# KiCad board analog_i.kicad_pcb (continued)
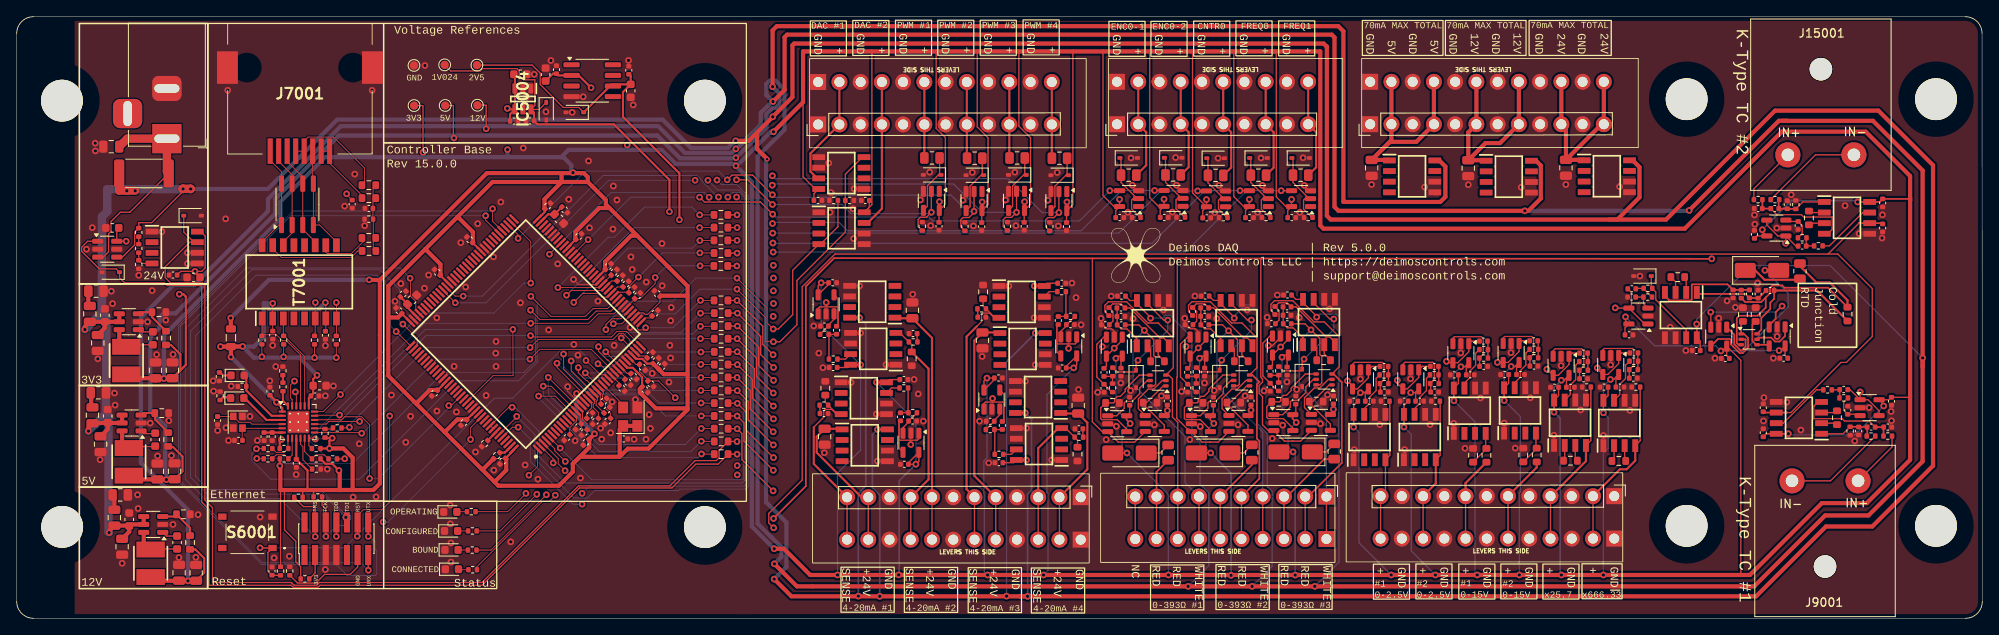
[diagram p0: board, top side]
## Routing (per net, layer and track width the routed paths; a pad name or vN(x,y) marks a point on that pad's centre or on a via; arc(x,y) is an arc through that point) (continued)
/base/Micro/LED2: length 16.4
  Top w0.1: IC6001.2 62.67,20.57 64.27,18.97 v1(64.15,18.59) 64.27,18.59 ; R6026.2 57.8,10.45 v1(62.19,14.84)
  In1.Cu w0.1: 62.17,14.84 v1(62.19,14.84) 62.19,14.86 64.15,16.82 v1(64.15,18.59)
/base/Micro/LED3: length 12.9
  Top w0.1: v1(60.89,14.94) 58.71,12.76 R6027.2 ; IC6001.1 62.28,18.15 v1(61.25,17.12)
  In1.Cu w0.1: v1(61.25,17.12) 60.89,16.77 v1(60.89,14.94) 60.89,14.9 60.91,14.92
/base/Micro/RMII_CRS_DV: length 50.4
  Top w0.1: IC6001.43 71.44,36.43 69.53,36.43 68.4,35.3 v1(61.46,35.3) ; R7005.1 39.2,19.07 v1(39.22,19.09)
  Bottom w0.1: v1(61.46,35.3) 48.76,35.3 35.14,21.68 35.14,21.15 37.21,19.08 v1(39.22,19.09) 39.23,19.08
/base/Micro/RMII_MDC: length 41.4
  Top w0.1: U7001.13 35.64,22.22 41.47,22.22 ; v1(61.37,31.01) 62.54,32.18 68.7,32.18 IC6001.27
  Bottom w0.1: v1(41.25,22.14) 41.39,22.14 50.26,31.01 v1(61.37,31.01)
/base/Micro/RMII_MDIO: length 47.3
  Top w0.1: v1(35.7,21.45) 35.61,21.55 U7001.12 34.94,20.68 R7008.1 ; v1(61.44,33.82) 61.6,33.66 71.1,33.66 71.75,34.31 72.94,34.31 IC6001.36
  Bottom w0.1: v1(61.44,33.82) 48.93,33.82 36.6,21.49 v1(35.7,21.45) 35.66,21.49
/base/Micro/RMII_REF_CLK: length 41.2
  Top w0.1: R7007.2 39.71,22.78 v1(39.78,22.85) ; IC6001.35 74.27,32.24 73.29,33.22 73.29,33.33 72.52,34.1 72.05,34.1 71.32,33.37 62.37,33.37 v1(61.39,32.39)
  Bottom w0.1: v1(61.39,32.39) 49.05,32.39 39.79,23.14 v1(39.78,22.85) 39.79,22.84
/base/Micro/RMII_RXD0: length 57.9
  Top w0.1: v1(28.7,19.12) 28.74,19.09 R7001.2 ; IC6001.44 71.06,36.76 69.3,36.76 68.3,35.76 62.55,35.76 v1(61.44,36.87)
  Bottom w0.1: 28.71,19.1 v1(28.7,19.12) 31.4,19.1 31.97,18.53 40.14,18.53 51,29.39 60.63,29.39 62.02,30.78 62.02,36.29 v1(61.44,36.87)
/base/Micro/RMII_RXD1: length 63.8
  Top w0.1: v1(28.66,20.28) 28.7,20.32 R7003.2 ; IC6001.45 70.65,37.06 68.93,37.06 68,36.13 63.88,36.13 v1(61.48,38.53)
  Bottom w0.1: v1(61.48,38.53) 62.23,37.78 62.23,30.63 60.02,28.42 52.75,28.42 40.98,16.65 30.39,16.65 28.13,18.9 28.13,19.73 28.66,20.26 v1(28.66,20.28) 28.68,20.28 28.67,20.27
/base/Micro/RMII_TX_EN: length 28.8
  Top w0.1: U7001.16 35.64,23.75 38.86,23.75 39.22,24.12 41.24,24.12 42.2,23.15 v1(42.2,16.72) 42.2,16.7 ; 51.67,25.44 v1(51.66,25.45) 51.96,25.44 IC6001.126
  Bottom w0.1: v1(51.66,25.45) 51.66,25.15 43.24,16.72 v1(42.2,16.72)
/base/Micro/RMII_TXD0: length 40.4
  Top w0.1: U7001.17 35.69,24.3 38.58,24.3 v1(38.6,24.32) ; IC6001.128 56.96,29.03 59.35,29.03 v1(59.33,34.57) 59.35,34.55
  Bottom w0.1: 38.62,24.31 48.88,34.57 v1(59.33,34.57)
/base/Micro/RMII_TXD1: length 40.6
  Top w0.1: v1(38.72,26.79) 36.66,24.73 U7001.18 ; IC6001.74 61.47,45.07 v1(61.47,40.11)
  In2.Cu w0.1: v1(38.72,26.79) 38.73,26.7
  Bottom w0.1: v1(38.72,26.79) 48.46,36.53 57.07,36.53 60.65,40.11 v1(61.47,40.11)
/base/Micro/UART_RX: length 92.1
  Top w0.1: 56.08,48.16 v1(56.07,48.17) 56.08,47.63 IC6001.78
  Top w0.15: v1(42.05,5.75) 42.03,5.76 J6001.13
  Bottom w0.1: v1(42.05,5.75) 41.15,6.64 29.38,6.64 19.56,16.46 19.56,34.95 32.78,48.17 v1(56.07,48.17)
/base/Micro/UART_TX: length 100.4
  Top w0.1: 41.8,12.4 41.83,12.37 ; 56.91,49 v1(56.9,49.01) 56.91,47.51 IC6001.77
  Top w0.15: v1(42.05,9.8) 42.03,9.81 J6001.14
  Bottom w0.1: v1(56.9,49.01) 56.62,48.73 33.05,48.73 19.35,35.04 19.35,16.37 29.31,6.42 38.22,6.42 39.52,5.12 42.9,5.12 43.05,5.27 43.05,8.08 42.86,8.27 42.86,9.18 v1(42.05,9.8) 42.2,9.84
Net-(C7012-Pad1): length 7.6
  Top w0.1: 42.64,43.96 42.64,47.75 R7024.1 42.6,47.79 C7012.1 42.6,50.25 42.63,50.28 42.62,50.29 42.62,51.5
Net-(C10004-Pad2): length 1.8
  Top w0.5: R10003.1 8.56,37.56 C10004.2
Net-(C11001-Pad1): length 1
  Top w0.15: R11001.1 96.06,25.47 C11001.1
  Top w0.25: 96.03,25.5 R11001.1
Net-(C11004-Pad2): length 1.8
  Top w0.5: 8.9,26.97 8.9,25.46 9.11,25.25
Net-(C12002-Pad2): length 1.9
  Top w0.5: C12002.2 11.68,14.55 R12003.1
Net-(C14001-Pad1): length 1
  Top w0.15: C14001.1 107.67,33.11 R14001.1
  Top w0.25: 107.7,33.08 R14001.1
Net-(C15007-Pad1): length 2.4
  Top w0.15: C15007.1 193.67,39.48 R15004.1 194.56,39.43 R15006.2
Net-(C17006-Pad1): length 2
  Top w0.15: R17007.1 218.01,26.4 C17006.1 217.98,27.34 R17001.2
Net-(C18001-Pad1): length 1
  Top w0.15: R18001.1 114.93,36.99 C18001.1
  Top w0.25: 114.9,37.02 R18001.1
Net-(C19002-Pad1): length 2
  Top w0.15: R19002.1 214,45.5 C19002.1 214.02,44.56 R19001.2
Net-(C21002-Pad1): length 1.9
  Top w0.15: C21002.1 131.03,28.95 131.04,28.94 131.04,28.03
Net-(C22001-Pad1): length 1
  Top w0.15: R22001.1 127.5,21.71 C22001.1
  Top w0.25: 127.53,21.68 R22001.1
Net-(C24003-Pad1): length 1.9
  Top w0.15: C24003.1 141.04,28.96 141.05,28.95 141.05,28.04
Net-(C27002-Pad1): length 1.9
  Top w0.15: C27002.1 150.9,29.08 150.9,29.07 150.9,28.16
Net-(C29002-Pad1): length 3.9
  Top w0.15: R29001.2 116.96,22.42 116.92,22.46 R29002.1 117.86,22.58 C29002.1
Net-(C31002-Pad1): length 3.9
  Top w0.15: C31002.1 124.57,36.12 R31002.1 125.51,36.24 125.47,36.28 R31001.2
Net-(C33002-Pad1): length 3.9
  Top w0.15: R33001.2 97.13,33.82 97.09,33.86 R33002.1 98.03,33.98 C33002.1
Net-(C35002-Pad1): length 3.9
  Top w0.15: R35001.2 106.6,24.76 106.64,24.72 R35002.1 105.7,24.6 C35002.1
Net-(C37002-Pad1): length 2
  Top w0.15: C37002.1 193.86,31.74 R37002.2
Net-(C39002-Pad1): length 2.1
  Top w0.15: C39002.1 187.89,31.7 R39002.1
Net-(C41002-Pad1): length 2.1
  Top w0.15: C41002.1 181.95,33.15 R41002.1
Net-(C43002-Pad1): length 2.1
  Top w0.15: R43002.1 175.94,33.11 C43002.1
Net-(C45002-Pad1): length 2.1
  Top w0.15: C45002.1 170.05,30.11 R45002.1
Net-(C47002-Pad1): length 2.1
  Top w0.15: R47002.1 164.03,30.1 C47002.1
Net-(D4001-K): length 7.1
  Top w0.25: R4003.1 213.13,40.51 209.02,40.51 207.9,41.63 D4001.1
Net-(D5001-K): length 3
  Top w0.15: R5003.1 136.73,19.78 D5001.1
Net-(D6001-A): length 1.2
  Top w0.1: D6001.2 52.89,5.81 R6023.1
Net-(D6002-A): length 1.2
  Top w0.1: D6002.2 52.8,8.17 R6025.1
Net-(D6003-A): length 1.3
  Top w0.1: R6026.1 D6003.2
Net-(D6004-A): length 1.2
  Top w0.1: D6004.2 52.67,12.76 R6027.1
Net-(D7001-A): length 7.4
  Top w0.25: U7001.2 30.49,24.23 27.45,27.27 R7012.1 27.45,28.82 D7001.2
Net-(D7001-K): length 1.5
  Top w0.25: D7001.1 24.7,29.06 24.33,29.43
Net-(D7002-A): length 5.7
  Top w0.25: 27.17,26.43 29.87,23.73 U7001.3
Net-(D7002-K): length 1.4
  Top w0.25: 25.6,26.43 24.64,26.43 R7019.1
Net-(D13001-K): length 3
  Top w0.15: R13003.1 146.74,19.79 D13001.1
Net-(D17001-K): length 3
  Top w0.15: R17003.1 156.59,19.91 D17001.1
Net-(D48001-K): length 9.4
  Top w0.15: D48001.1 132.06,54.95 R48001.2 132.06,52.14 133.98,50.22 U48001.2 133.49,50.22 133.32,50.05 133.32,48.98 134.33,47.97 R48002.1
Net-(D49001-K): length 9.4
  Top w0.15: R49002.1 139.65,47.99 138.64,49 138.64,50.07 138.81,50.24 U49001.2 139.3,50.24 137.38,52.16 R49001.2 137.38,54.97 D49001.1
Net-(D50001-K): length 9.4
  Top w0.15: R50002.1 144.73,47.94 143.72,48.95 143.72,50.02 143.89,50.19 U50001.2 144.38,50.19 142.46,52.11 R50001.2 142.46,54.92 D50001.1
Net-(D51001-K): length 9.4
  Top w0.15: R51002.1 149.85,47.97 148.84,48.98 148.84,50.04 149.01,50.22 U51001.2 149.5,50.22 147.58,52.14 R51001.2 147.58,54.94 D51001.1
Net-(D52001-K): length 9.4
  Top w0.15: R52002.1 154.9,47.97 153.88,48.98 153.88,50.04 154.06,50.22 U52001.2 154.55,50.22 152.63,52.14 R52001.2 152.63,54.94 D52001.1
Net-(D55001-K): length 7.4
  Top w0.15: R55002.1 110.36,53.21 D55001.1 110.21,53.05 108.9,51.74 108.9,49.29 U55001.4
Net-(D56001-K): length 7.4
  Top w0.15: R56002.1 115.47,53.18 D56001.1 115.32,53.02 114.01,51.71 114.01,49.26 U56001.4
Net-(D57001-K): length 7.4
  Top w0.15: U57001.4 119.09,49.29 119.09,51.74 120.4,53.05 D57001.1 120.55,53.2 R57002.1
Net-(D58001-K): length 7.4
  Top w0.15: U58001.4 124.15,49.25 124.15,51.71 125.46,53.02 D58001.1 125.61,53.17 R58002.1
Net-(IC3001-VO): length 26.8
  Top w0.5: C3001.2 164.09,54.85 IC3001.1 ; C3001.2 164.39,57.21 J3001.2 J3001.2 ; C3001.2 164.2,57.01 167.37,57.01 J3001.4 J3001.4
Net-(IC3002-VO): length 23.1
  Top w0.5: J3001.10 J3001.10 185.27,58.57 C3002.2 ; J3001.12 J3001.12 189.53,59.12 C3002.2 ; C3002.2 187.39,54.86 IC3002.1
Net-(IC3003-VO): length 24.9
  Top w0.5: C3003.2 175.63,56.86 177.37,56.86 J3001.8 J3001.8 ; C3003.2 173.58,58.15 J3001.6 J3001.6 ; C3003.2 175.66,54.81 175.72,54.75
Net-(IC4001-RG_1): length 1.9
  Top w0.15: IC4001.2 199.64,40.64 R4002.1
Net-(IC4001-RG_2): length 2.1
  Top w0.15: IC4001.3 198.37,40.26 R4002.2
Net-(IC4002--IN): length 9.8
  Top w0.2: R4006.1 206.22,35.31 U4001.1 206.54,34.03 207.04,33.53 207.04,32.38 206.4,31.74 206.04,31.74 204.99,32.79 204.99,33.28 204.84,33.43 203.45,33.43 IC4002.4
Net-(IC4002-OUT): length 5.7
  Top w0.2: IC4002.1 205.39,33.93 205.39,32.8 206.16,32.04 206.28,32.04 206.74,32.5 206.74,33.35 206.72,33.38 U4001.2
Net-(IC4003--IN): length 4.8
  Top w0.2: R4009.1 207.56,35.13 207.56,33.19 208.02,32.73 U4001.4 209.42,32.73 IC4003.4
Net-(IC4003-OUT): length 5
  Top w0.2: IC4003.1 211.47,33.77 210.82,33.12 210.27,33.12 209.81,33.59 208.32,33.59 U4001.5
Net-(IC5001-RG_1): length 2
  Top w0.15: IC5001.2 135.6,32.24 R5002.1
Net-(IC5001-RG_2): length 2.2
  Top w0.15: R5002.2 136.5,31.5 IC5001.3
Net-(IC5002--IN): length 8
  Top w0.15: U5001.1 137.1,27.8 135.1,25.8 R5006.1 134.71,25.63 137.23,23.11 IC5002.4
Net-(IC5002-OUT): length 6.5
  Top w0.15: U5001.2 137,28.45 135.97,27.43 135.31,27.43 134.14,26.25 134.14,25.08 IC5002.1
Net-(IC5003--IN): length 13.1
  Top w0.15: IC5003.4 132.74,22.63 131.62,23.76 129.78,23.76 129.63,23.91 129.63,25.19 R5009.1 131.16,25.77 131.29,25.9 131.29,26.21 131.63,26.55 131.97,26.55 132.55,27.13 132.55,27.41 134.24,29.1 U5001.4
Net-(IC5003-OUT): length 7.6
  Top w0.15: U5001.5 135.2,28.45 134.29,27.54 134.29,26.89 133.35,25.95 132.61,25.95 132.44,25.77 132.44,25.14 131.53,24.23 IC5003.1
Net-(IC6001-BOOT0): length 1.5
  Top w0.25: IC6001.138 57.35,22.3 R6022.1
Net-(IC6001-PDR_ON): length 1.7
  Top w0.25: IC6001.143 58.37,19.83 R6021.2
Net-(IC6001-VCAP_1): length 3.3
  Top w0.25: IC6001.71 63.55,48.34 C6035.2 64.31,48.34 C6034.2
Net-(IC6001-VCAP_2): length 3.2
  Top w0.25: C6041.2 46.73,37.61 C6040.1 46.73,37.18 IC6001.106
Net-(IC8001-+IN): length 2.7
  Top w0.15: R8007.1 R8005.2 14.97,42.46 IC8001.4
Net-(IC9001-RG_1): length 1.9
  Top w0.15: IC9001.2 217.5,23.35 R9005.1
Net-(IC9001-RG_2): length 1.9
  Top w0.15: R9005.2 217.47,24.62 IC9001.3
Net-(IC10001-CB): length 1.9
  Top w0.15: IC10001.1 14.8,34.28 C10001.2
Net-(IC10001-FB): length 4.7
  Top w0.25: R10002.2 16.18,36.05 R10001.1 14.73,36.63 IC10001.3
Net-(IC10001-SW): length 5.7
  Top w0.15: L10001.2 13.35,32.73 C10001.1
  Top w0.5: L10001.2 12.26,33.34 IC10001.6
Net-(IC11002-CB): length 1.9
  Top w0.15: IC11002.1 15.2,22.1 16.61,22.1
Net-(IC11002-FB): length 4.9
  Top w0.25: IC11002.3 15.11,24.56 16.54,24.56 16.54,23.8 18.19,22.15
Net-(IC11002-SW): length 5.7
  Top w0.15: 16.61,20.55 13.61,20.55 13.42,20.36
  Top w0.5: IC11002.6 12.6,21.19 13.42,20.36
Net-(IC12001-CB): length 1.9
  Top w0.15: C12006.2 17.9,9.84 IC12001.1
Net-(IC12001-FB): length 5
  Top w0.25: IC12001.3 18.85,12.18 R12002.1 20.73,10.82 R12001.2
Net-(IC12001-SW): length 5.6
  Top w0.15: L12001.2 16.08,8.29 C12006.1
  Top w0.5: L12001.2 15.19,9.06 IC12001.6
Net-(IC13001-RG_1): length 2
  Top w0.15: R13002.1 145.61,32.25 IC13001.2
Net-(IC13001-RG_2): length 2.2
  Top w0.15: IC13001.3 146.51,31.51 R13002.2
Net-(IC13002--IN): length 8
  Top w0.15: IC13002.4 147.24,23.12 144.72,25.64 R13006.1 145.1,25.81 147.11,27.81 U13001.1
Net-(IC13002-OUT): length 6.5
  Top w0.15: IC13002.1 144.14,25.09 144.14,26.26 145.31,27.44 145.98,27.44 147,28.46 U13001.2
Net-(IC13003--IN): length 13
  Top w0.15: U13001.4 144.25,29.11 142.56,27.42 142.56,27.14 141.97,26.56 141.64,26.56 141.3,26.22 141.3,25.91 141.17,25.78 R13009.1 139.64,25.2 139.64,23.92 139.78,23.77 141.53,23.77 142.75,22.55 IC13003.4
Net-(IC13003-OUT): length 7.6
  Top w0.15: U13001.5 145.21,28.46 144.3,27.55 144.3,26.9 143.36,25.96 142.62,25.96 142.45,25.78 142.45,25.15 141.54,24.24 IC13003.1
Net-(IC15001-RG_1): length 1.9
  Top w0.15: R15005.1 214.5,48.55 IC15001.2
Net-(IC15001-RG_2): length 1.9
  Top w0.15: R15005.2 214.53,47.28 IC15001.3
Net-(IC17001-RG_1): length 2
  Top w0.15: IC17001.2 155.46,32.37 R17002.1
Net-(IC17001-RG_2): length 2.2
  Top w0.15: IC17001.3 156.36,31.63 R17002.2
Net-(IC17002--IN): length 8
  Top w0.15: U17001.1 156.96,27.93 154.96,25.93 R17006.1 154.57,25.76 157.09,23.24 IC17002.4
Net-(IC17002-OUT): length 6.5
  Top w0.15: U17001.2 156.86,28.58 155.83,27.56 155.17,27.56 154,26.39 154,25.21 IC17002.1
Net-(IC17003--IN): length 13.1
  Top w0.15: IC17003.4 152.6,22.77 151.48,23.89 149.64,23.89 149.49,24.04 149.49,25.32 R17009.1 151.03,25.9 151.15,26.03 151.15,26.34 151.49,26.68 151.83,26.68 152.41,27.26 152.41,27.54 154.1,29.23 U17001.4
Net-(IC17003-OUT): length 7.6
  Top w0.15: IC17003.1 151.4,24.37 152.3,25.27 152.3,25.91 152.48,26.08 153.22,26.08 154.15,27.02 154.15,27.67 155.06,28.58 U17001.5
Net-(IC36001-RG_1): length 1.9
  Top w0.15: IC36001.2 191.01,19.08 R36001.1
Net-(IC36001-RG_2): length 1.9
  Top w0.15: IC36001.3 192.28,18.95 R36001.2
Net-(IC38001-RG_1): length 1.9
  Top w0.15: IC38001.2 185.12,19 R38001.1
Net-(IC38001-RG_2): length 1.9
  Top w0.15: IC38001.3 186.39,19.1 R38001.2
Net-(IC40001-+IN): length 4.1
  Top w0.15: R40002.1 181.77,20.31 R40001.1 181.68,20.45 IC40001.4
Net-(IC42001-+IN): length 4.1
  Top w0.15: R42002.1 175.76,20.28 R42001.1 175.67,20.42 IC42001.4
Net-(J6001-Pin_3): length 3.2
  Top w0.15: R13007.2 35.68,5.42 J6001.3 35.75,7.51
Net-(J6001-Pin_11): length 10.7
  Top w0.15: J6001.11 40.76,6.13 39.89,5.26 36.81,5.26 35.77,4.22 33.58,4.22 R6024.2
Net-(J7001-Pad4): length 13.6
  Top w0.1: 41.6,51.5 41.6,53.87 37.89,57.58 34.84,57.58 34.37,57.12 J7001.5 J7001.4
Net-(J7001-Pad7): length 8.4
  Top w0.1: 41.61,50.28 37.42,54.46 J7001.8 J7001.7
Net-(J9001-Pin_1): length 12.2
  Top w0.15: J9001.1 216.9,16.45 R9002.2
Net-(J9001-Pin_2): length 7
  Top w0.15: R9001.1 224.26,20.51 J9001.2
Net-(J15001-Pin_1): length 12.2
  Top w0.15: J15001.1 215.11,55.45 R15002.2
Net-(J15001-Pin_2): length 7
  Top w0.15: J15001.2 207.74,51.39 R15001.1
Net-(R7014-Pad1): length 0.9
  Top w0.25: R7014.1 31.84,29.08 R7017.2
Net-(R8006-Pad2): length 0.9
  Top w0.15: R8007.2 R8006.2
Net-(T7001-CT_1): length 89.9
  Top w0.1: 31.92,32.46 v1(31.92,31.29) ; 38.22,32.46 v1(38.22,31.19) ; 39.42,50.83 v1(39.45,50.79) 39.45,50.7 C7007.2 ; C7011.2 36.96,34.39 T7001.7 36.96,37.74 v1(36.92,37.79) ; T7001.2 30.61,37.68 v1(30.62,37.69) 30.61,37.69 30.61,37.88 30.62,37.89 ; T7001.2 30.65,35.88 ; T7001.2 30.61,34.37 C7010.2 ; 35.62,32.46 v1(35.62,31.19) ; 29.32,32.46 v1(29.32,31.29)
  Top w0.25: U7001.19 34.94,26.36 C7008.2 35.45,26.87 C7009.2 35.45,28.62 v1(35.92,29.09) ; U7001.1 31.75,25.16 v1(31.06,25.86) 31.06,25.92 C7006.2
  Top w0.5: FB7001.2 v1(27.02,32.54) 27.04,32.51 ; FB7001.2 v1(24.37,32.51) 24.39,32.51 ; FB7001.2 v1(25.62,31.26)
  In2.Cu w0.5: v1(24.37,32.51) 24.37,33.19 39.98,48.8 39.98,50.27 v1(39.45,50.79)
  Bottom w0.5: 38.14,31.26 v1(38.22,31.19) 28.37,31.19 v1(27.02,32.54) ; 29.54,37.69 29.54,33.69 28.37,32.51 v1(24.37,32.51) ; 29.54,37.69 v1(30.62,37.69) ; 29.54,37.69 30.2,37.03 36.16,37.03 v1(36.92,37.79) ; 33.74,31.26 v1(35.92,29.09) ; v1(31.06,25.86) 25.65,31.26 v1(25.62,31.26)
Net-(T7001-NC_3): length 6.2
  Top w0.1: 41.62,45.25 40.02,43.65 37.15,43.65 36.96,43.84 T7001.10
Net-(T7001-NC_6): length 12.2
  Top w0.1: 41.62,43.96 40.79,43.96 40.02,43.19 31.64,43.19 30.61,44.21 T7001.15
Net-(T7001-RX+): length 12.7
  Top w0.1: J7001.3 32.34,54.68 34.21,52.81 D7003.6 D7003.3 34.21,46.54 35.69,45.06 T7001.11
Net-(T7001-RX-): length 12.9
  Top w0.1: J7001.6 35.39,52.1 D7003.5 D7003.4 36.23,47.06 38.23,45.06 T7001.9
Net-(T7001-TX+): length 13
  Top w0.1: T7001.16 29.34,45.06 31.35,47.06 D7003.1 D7003.8 31.67,53.44 30.31,54.79 J7001.1
Net-(T7001-TX-): length 12.4
  Top w0.1: J7001.2 31.33,54.68 32.94,53.07 D7003.7 D7003.2 32.94,46.11 31.88,45.06 T7001.14
Net-(U7001-CRS_DV/MODE2): length 5.2
  Top w0.1: U7001.11 34.44,19.95 R7006.2 35.79,19.56 36.8,19.56 R7005.2
Net-(U7001-RBIAS): length 1.7
  Top w0.25: U7001.24 31.84,26.02 31.84,26.86
Net-(U7001-RXD0/MODE0): length 5
  Top w0.1: U7001.8 32.94,19.54 R7002.2 32.01,19.57 31.04,19.57 R7001.1
Net-(U7001-RXD1/MODE1): length 3.5
  Top w0.1: 32.44,20.36 31.92,19.84 31.05,19.84 R7003.1 ; 32.44,20.36 R7004.2 ; 32.44,20.36 U7001.7
Net-(U7001-RXER/PHYAD0): length 4.3
  Top w0.1: U7001.10 33.94,20.82 34.23,20.53 34.23,18.96 R7010.2
Net-(U7001-VDDCR): length 2.2
  Top w0.25: U7001.6 31.74,22.23 C7003.2 C7004.2
Net-(U7001-XTAL1/CLKIN): length 6.3
  Top w0.1: U7001.5 28.84,22.73 28.84,22.74 27.02,22.74 26.97,22.79 26.97,21.32 C7001.2 26.99,21.28
Net-(U7001-XTAL2): length 8.1
  Top w0.1: U7001.4 28.14,23.23 27.92,23.46 26.59,23.46 25.92,24.14 24.03,24.14 C7002.2
Net-(U7001-~{INT}/REFCLKO): length 2.3
  Top w0.1: R7007.1 37.69,22.65 R7009.2 36.78,22.73 U7001.14
Net-(U8001-+): length 24.9
  Top w0.15: R8004.2 13.54,48.59 12.39,48.59 11.27,47.47 11.27,46.29 10.98,46 10.98,43.85 10.35,43.22 U8001.3
  Top w1: C8003.1 13.22,57.4 J8001.1 17.96,53.45 R8004.2
Net-(U15001-+): length 2.5
  Top w0.15: U15001.3 194.54,37.65 R15006.1 C15005.2
Net-(U17002-+): length 3.9
  Top w0.15: U17002.3 220.28,24.42 C17005.2 218.48,24.9 218.48,25.86 R17007.2
Net-(U19001-+): length 3.9
  Top w0.15: R19002.2 213.52,46.04 213.52,47 C19001.2 211.72,47.48 U19001.3
Net-(U21001-+): length 8.1
  Top w0.15: U21001.3 130.01,33.64 129.16,32.79 129.16,28.87 C21001.2 131.02,27.01 131.04,27.01
Net-(U24001-+): length 8.1
  Top w0.15: U24001.3 140.01,33.65 139.17,32.8 139.17,28.88 C24002.2 141.02,27.02 141.05,27.02
Net-(U27001-+): length 8.1
  Top w0.15: U27001.3 149.87,33.77 149.02,32.93 149.02,29 C27001.2 150.88,27.14 150.9,27.14
Net-(U29001-+): length 3.2
  Top w0.15: R29002.2 116.89,23.57 C29001.2 116.9,23.7 117.57,24.37 U29001.3
Net-(U31001-+): length 3.2
  Top w0.15: R31002.2 125.54,35.13 C31001.2 125.53,35 124.86,34.33 U31001.3
Net-(U33001-+): length 3.2
  Top w0.15: U33001.3 97.74,35.77 97.07,35.1 C33001.2 97.06,34.97 R33002.2
Net-(U35001-+): length 3.2
  Top w0.15: R35002.2 106.67,23.61 C35001.2 106.66,23.48 105.99,22.81 U35001.3
Net-(U37001-+): length 8.1
  Top w0.15: C37001.2 192.85,29.74 R37002.1 193.37,30.28 193.37,32.14 193.22,32.29 189.85,32.29 189.67,32.11 U37001.3
Net-(U39001-+): length 8.1
  Top w0.15: C39001.2 186.89,29.65 R39002.2 187.4,30.21 187.4,31.99 187.15,32.24 183.97,32.24 183.73,32.01 183.73,31.35
Net-(U41001-+): length 8
  Top w0.15: C41001.2 180.96,31.14 R41002.2 181.39,31.63 181.39,33.51 181.17,33.72 177.93,33.72 177.76,33.55 U41001.3
Net-(U43001-+): length 8
  Top w0.15: C43001.2 174.95,31.11 R43002.2 175.38,31.6 175.38,33.47 175.16,33.69 171.92,33.69 171.75,33.52 U43001.3
Net-(U45001-+): length 8.2
  Top w0.15: C45001.2 169.09,28.03 R45002.2 169.52,28.58 169.52,30.44 169.33,30.63 166,30.63 165.76,30.39 U45001.3
Net-(U47001-+): length 8.2
  Top w0.15: U47001.3 159.74,30.39 159.98,30.62 163.31,30.62 163.5,30.43 163.5,28.57 R47002.2 163.07,28.03 C47001.2
unconnected-(J3002-Pin_10-Pad10): length 5.1
  Top w0.15: 133.76,9.49 133.76,14.57
unconnected-(J6001-Pin_2-Pad2): length 1.3
  Top w0.1: 34.61,11.07 34.51,11.07 34.51,11.17 34.18,11.51 34.18,12.17

## Copper pours and planes (outline as drawn; the poured copper is in the pictures)
+3V3 on In2.Cu: 39.13,16.53 30.5,16.51 30.46,21.97 39.07,21.92
GND on Top, Bottom, In1.Cu, In2.Cu: 6.93,71.98 87.88,72.1 87.88,0.5 6.93,0.38
GND on Top, Bottom, In1.Cu, In2.Cu: 237.03,-0.15 86.1,-0.28 85.65,72.15 236.59,72.28

## Text on the board
B.Silkscreen: Licensed Software Included in this Device / ----------------------------------------- / (MIT OR Apache-2.0) AND Unicode-DFS-2016 (1): unicode-ident / 0BSD (4): irq, managed, smoltcp, stm32h7xx-hal / Apache-2.0 OR MIT (39): array-macro, autocfg, bare-metal, / bare-metal, bitfield, bitflags, byte_struct, byte_struct_derive, / cast, cfg-if, cortex-m, cortex-m-rt, cortex-m-rt-macros, / critical-section, embedded-dma, embedded-hal, embedded-storage, / flaw, fugit, gcd, hash32, heapless, interpn, libm, nb, / nb, num-traits, panic-halt, paste, proc-macro2, quote, / rustc_version, semver, semver-parser, stable_deref_trait, / stm32h7, syn, vcell, volatile-register / Apache-2.0 OR MIT OR Unlicense (1): atomic_float / MIT (1): void / MIT OR Unlicense (1): byteorder | MIT License / ----------- / Permission is hereby granted, free of charge, to any person obtaining a copy of this software / and associated documentation files (the “Software”), to deal in the Software without restriction, / including without limitation the rights to use, copy, modify, merge, publish, distribute, sublicense, / and/or sell copies of the Software, and to permit persons to whom the Software is furnished to do so, / subject to the following conditions: / The above copyright notice and this permission notice shall be included in all copies or substantial / portions of the Software. / THE SOFTWARE IS PROVIDED “AS IS”, WITHOUT WARRANTY OF ANY KIND, EXPRESS OR IMPLIED, INCLUDING BUT NOT / LIMITED TO THE WARRANTIES OF MERCHANTABILITY, FITNESS FOR A PARTICULAR PURPOSE AND NONINFRINGEMENT. IN / NO EVENT SHALL THE AUTHORS OR COPYRIGHT HOLDERS BE LIABLE FOR ANY CLAIM, DAMAGES OR OTHER LIABILITY, / WHETHER IN AN ACTION OF CONTRACT, TORT OR OTHERWISE, ARISING FROM, OUT OF OR IN CONNECTION WITH THE / SOFTWARE OR THE USE OR OTHER DEALINGS IN THE SOFTWARE.
F.Silkscreen: TMS | 3V3 | TCK | TDO | TDI | RST | GND | UTX | URX | CONFIGURED | OPERATING | CONNECTED | BOUND | 1V024 | 5V | 2V5 | 12V | DAC #1 | 4-20mA #1 | DAC #2 | PWM #1 | 4-20mA #2 | PWM #2 | 4-20mA #3 | PWM #3 | PWM #4 | 4-20mA #4 | ENC0-1 | 0-393Ω #1 | ENC0-2 | CNTR0 | 0-393Ω #2 | FREQ0 | 0-393Ω #3 | FREQ1 | 70mA MAX TOTAL | #1 / 0-2.5V | #2 / 0-2.5V | #1 / 0-15V | #2 / 0-15V | x25.7 | x666.33 | + | SENSE | +24V | NC | RED | WHITE | 24V | Cold / Junction / RTD | Controller Base / Rev 15.0.0 | Deimos DAQ          | Rev 5.0.0 / Deimos Controls LLC | https://deimoscontrols.com / | support@deimoscontrols.com | Reset | Ethernet | Voltage References | Status | K-Type TC #2 | K-Type TC #1
